# KiCad board poly_kb_molecule_4x4.kicad_pcb (continued)
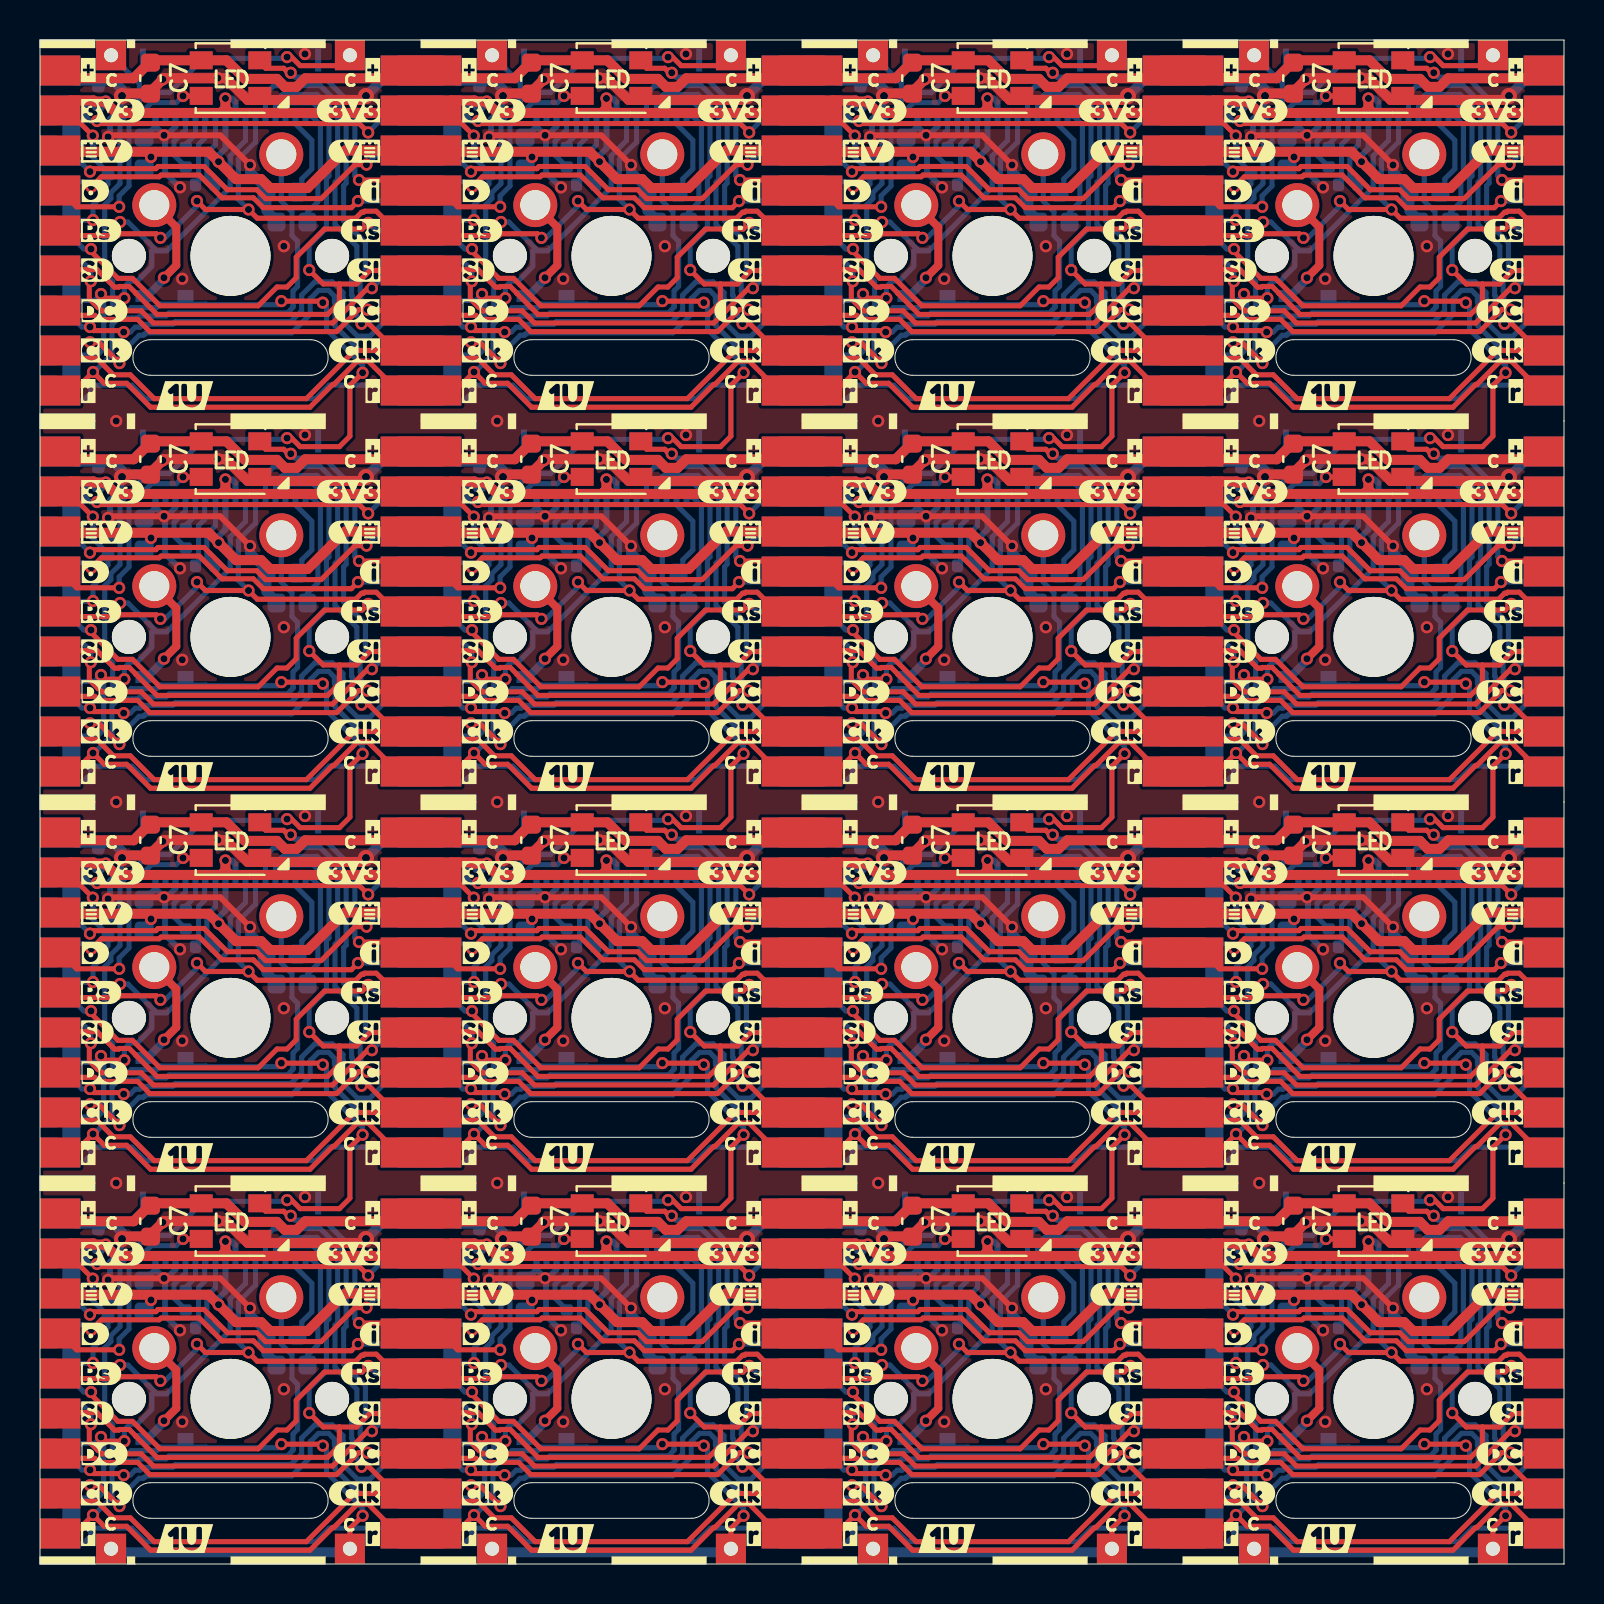
[diagram p0: board, top side]
## Routing (per net, layer and track width the routed paths; a pad name or vN(x,y) marks a point on that pad's centre or on a via; arc(x,y) is an arc through that point) (continued)
/Keyboard/sheet605ED2EB/4V2: length 367.8
  Top w0.5: 43.65,51.5 v1(43.65,51.3) ; 55.88,51.63 53.35,51.63 51.48,49.75 49.6,49.75 49.16,50.19 47.9,50.19 v1(47.03,51.07) 46.53,51.56 39.18,51.56 J3#14.3 ; J3#5.3 39.18,32.51 46.53,32.51 v1(47.03,32.02) 47.9,31.14 49.16,31.14 49.6,30.7 51.48,30.7 53.35,32.58 55.88,32.58 ; J3#3.3 1.08,32.51 8.43,32.51 v1(8.93,32.02) 9.8,31.14 11.06,31.14 11.5,30.7 13.38,30.7 15.25,32.58 17.78,32.58 ; 5.55,32.45 v1(5.55,32.25) ; 24.6,51.5 v1(24.6,51.3) ; J3#11.3 58.23,32.51 65.58,32.51 v1(66.08,32.02) 66.95,31.14 68.21,31.14 68.65,30.7 70.53,30.7 72.4,32.58 74.93,32.58 ; J3#9.3 20.13,70.61 27.48,70.61 v1(27.98,70.12) 28.85,69.24 30.11,69.24 30.55,68.8 32.43,68.8 34.3,70.68 36.83,70.68 ; 74.93,13.53 72.4,13.53 70.53,11.65 68.65,11.65 68.21,12.09 66.95,12.09 v1(66.08,12.97) 65.58,13.46 58.23,13.46 J3#16.3 ; 5.55,51.5 v1(5.55,51.3) ; 36.83,51.63 34.3,51.63 32.43,49.75 30.55,49.75 30.11,50.19 28.85,50.19 v1(27.98,51.07) 27.48,51.56 20.13,51.56 J3#7.3 ; 24.6,70.55 v1(24.6,70.35) ; 5.55,70.55 v1(5.55,70.35) ; 36.83,13.53 34.3,13.53 32.43,11.65 30.55,11.65 30.11,12.09 28.85,12.09 v1(27.98,12.97) 27.48,13.46 20.13,13.46 J3#6.3 ; J3#10.3 58.23,70.61 65.58,70.61 v1(66.08,70.12) 66.95,69.24 68.21,69.24 68.65,68.8 70.53,68.8 72.4,70.68 74.93,70.68 ; 36.83,32.58 34.3,32.58 32.43,30.7 30.55,30.7 30.11,31.14 28.85,31.14 v1(27.98,32.02) 27.48,32.51 20.13,32.51 J3#2.3 ; 5.55,13.4 v1(5.55,13.2) ; 24.6,32.45 v1(24.6,32.25) ; J3#13.3 39.18,13.46 46.53,13.46 v1(47.03,12.97) 47.9,12.09 49.16,12.09 49.6,11.65 51.48,11.65 53.35,13.53 55.88,13.53 ; 43.65,13.4 v1(43.65,13.2) ; 62.7,70.55 v1(62.7,70.35) ; 17.78,13.53 15.25,13.53 13.38,11.65 11.5,11.65 11.06,12.09 9.8,12.09 v1(8.93,12.97) 8.43,13.46 1.08,13.46 J3#12.3 ; J3#15.3 39.18,70.61 46.53,70.61 v1(47.03,70.12) 47.9,69.24 49.16,69.24 49.6,68.8 51.48,68.8 53.35,70.68 55.88,70.68 ; 74.93,51.63 72.4,51.63 70.53,49.75 68.65,49.75 68.21,50.19 66.95,50.19 v1(66.08,51.07) 65.58,51.56 58.23,51.56 J3#4.3 ; 17.78,70.68 15.25,70.68 13.38,68.8 11.5,68.8 11.06,69.24 9.8,69.24 v1(8.93,70.12) 8.43,70.61 1.08,70.61 J3.3 ; 62.7,13.4 v1(62.7,13.2) ; 24.6,13.4 v1(24.6,13.2) ; 17.78,51.63 15.25,51.63 13.38,49.75 11.5,49.75 11.06,50.19 9.8,50.19 v1(8.93,51.07) 8.43,51.56 1.08,51.56 J3#8.3 ; 62.7,51.5 v1(62.7,51.3) ; 43.65,70.55 v1(43.65,70.35) ; 62.7,32.45 v1(62.7,32.25) ; 43.65,32.45 v1(43.65,32.25)
  Top w1.5: J4#16.3 J3#15.3 ; J4#4.3 J3#2.3 ; J4#7.3 J3#4.3 ; J4#9.3 J3#5.3 ; J4#15.3 J3#16.3 ; J4.3 J3#9.3 ; J4#10.3 J3#10.3 ; J4#12.3 J3#13.3 ; J4#14.3 J3#7.3 ; J4#6.3 J3#14.3 ; J4#13.3 J3#6.3 ; J4#2.3 J3#11.3
  Bottom w0.3: v1(47.03,51.07) 47.03,51.38 47.38,51.73 J1#4.8 ; v1(66.08,32.02) 66.08,32.33 66.42,32.68 J1#15.8 ; 24.26,12.81 24.6,13.16 v1(24.6,13.2) ; J1.8 9.27,70.78 8.93,70.43 v1(8.93,70.12) ; v1(43.65,13.2) 43.65,13.16 43.31,12.81 ; J1#8.8 47.38,32.68 47.03,32.33 v1(47.03,32.02) ; v1(27.98,51.07) 27.98,51.38 28.33,51.73 J1#12.8 ; J1#10.8 28.33,32.68 27.98,32.33 v1(27.98,32.02) ; 62.36,50.91 62.7,51.26 v1(62.7,51.3) ; v1(47.03,12.97) 47.03,13.28 47.38,13.63 J1#14.8 ; v1(5.55,32.25) 5.55,32.21 5.21,31.86 ; J1#6.8 9.27,32.68 8.93,32.33 v1(8.93,32.02) ; v1(43.65,51.3) 43.65,51.26 43.31,50.91 ; v1(24.6,70.35) 24.6,70.31 24.26,69.96 ; v1(47.03,70.12) 47.03,70.43 47.38,70.78 J1#7.8 ; v1(8.93,12.97) 8.93,13.28 9.27,13.63 J1#5.8 ; 5.21,50.91 5.55,51.26 v1(5.55,51.3) ; 62.36,12.81 62.7,13.16 v1(62.7,13.2) ; 24.26,31.86 24.6,32.21 v1(24.6,32.25) ; v1(24.6,51.3) 24.6,51.26 24.26,50.91 ; 5.21,12.81 5.55,13.16 v1(5.55,13.2) ; v1(43.65,32.25) 43.65,32.21 43.31,31.86 ; v1(27.98,12.97) 27.98,13.28 28.33,13.63 J1#2.8 ; v1(66.08,70.12) 66.08,70.43 66.42,70.78 J1#9.8 ; 43.31,69.96 43.65,70.31 v1(43.65,70.35) ; 5.21,69.96 5.55,70.31 v1(5.55,70.35) ; v1(62.7,70.35) 62.7,70.31 62.36,69.96 ; J1#16.8 9.27,51.73 8.93,51.38 v1(8.93,51.07) ; v1(66.08,51.07) 66.08,51.38 66.42,51.73 J1#13.8 ; v1(62.7,32.25) 62.7,32.21 62.36,31.86 ; v1(66.08,12.97) 66.08,13.28 66.42,13.63 J1#3.8 ; J1#11.8 28.33,70.78 27.98,70.43 v1(27.98,70.12)
/Keyboard/sheet605ED2EB/5V: length 336.3
  Top w0.5: 58.42,74.68 58.79,74.31 ; 58.42,55.63 58.79,55.26 ; J4#16.1 36.7,74.29 32.31,74.29 31.88,73.86 31.29,73.86 30.89,74.26 29.3,74.26 28.37,75.19 24.63,75.19 23.74,74.29 20.45,74.29 J3#9.1 ; 74.55,17.15 74.93,17.53 ; J4#6.1 36.7,55.24 32.31,55.24 31.88,54.81 31.29,54.81 30.89,55.21 29.3,55.21 28.37,56.14 24.63,56.14 23.74,55.24 20.45,55.24 J3#7.1 ; 20.32,17.53 20.69,17.16 ; J4#15.1 55.75,17.14 51.36,17.14 50.93,16.71 50.34,16.71 49.94,17.11 48.35,17.11 47.42,18.04 43.69,18.04 42.79,17.14 39.5,17.14 J3#13.1 ; J3#5.1 39.5,36.19 42.79,36.19 43.69,37.09 47.42,37.09 48.35,36.16 49.94,36.16 50.34,35.76 50.93,35.76 51.36,36.19 55.75,36.19 J4#2.1 ; J4#14.1 17.65,55.24 13.26,55.24 12.83,54.81 12.24,54.81 11.84,55.21 10.25,55.21 9.32,56.14 5.59,56.14 4.69,55.24 1.4,55.24 J3#8.1 ; J3#16.1 58.55,17.14 61.84,17.14 62.73,18.04 66.47,18.04 67.4,17.11 68.99,17.11 69.39,16.71 69.98,16.71 70.41,17.14 74.8,17.14 J4#11.1 ; J3#11.1 58.55,36.19 61.84,36.19 62.73,37.09 66.47,37.09 67.4,36.16 68.99,36.16 69.39,35.76 69.98,35.76 70.41,36.19 74.8,36.19 J4#8.1 ; 58.42,36.58 58.79,36.21 ; 39.37,17.53 39.74,17.16 ; J4#13.1 17.65,17.14 13.26,17.14 12.83,16.71 12.24,16.71 11.84,17.11 10.25,17.11 9.32,18.04 5.59,18.04 4.69,17.14 1.4,17.14 J3#12.1 ; 55.5,55.25 55.88,55.63 ; 74.55,55.25 74.93,55.63 ; J3#10.1 58.55,74.29 61.84,74.29 62.73,75.19 66.47,75.19 67.4,74.26 68.99,74.26 69.39,73.86 69.98,73.86 70.41,74.29 74.8,74.29 J4#5.1 ; 17.4,74.3 17.78,74.68 ; J4#4.1 17.65,36.19 13.26,36.19 12.83,35.76 12.24,35.76 11.84,36.16 10.25,36.16 9.32,37.09 5.59,37.09 4.69,36.19 1.4,36.19 J3#3.1 ; 55.5,36.2 55.88,36.58 ; 36.45,74.3 36.83,74.68 ; 74.55,36.2 74.93,36.58 ; 17.4,36.2 17.78,36.58 ; 74.55,74.3 74.93,74.68 ; 20.32,55.63 20.69,55.26 ; J3#4.1 58.55,55.24 61.84,55.24 62.73,56.14 66.47,56.14 67.4,55.21 68.99,55.21 69.39,54.81 69.98,54.81 70.41,55.24 74.8,55.24 J4#3.1 ; 1.27,55.63 1.64,55.26 ; 55.5,74.3 55.88,74.68 ; J4.1 17.65,74.29 13.26,74.29 12.83,73.86 12.24,73.86 11.84,74.26 10.25,74.26 9.32,75.19 5.59,75.19 4.69,74.29 1.4,74.29 J3.1 ; 58.42,17.53 58.79,17.16 ; 39.37,55.63 39.74,55.26 ; J4#10.1 55.75,74.29 51.36,74.29 50.93,73.86 50.34,73.86 49.94,74.26 48.35,74.26 47.42,75.19 43.69,75.19 42.79,74.29 39.5,74.29 J3#15.1 ; J4#12.1 36.7,17.14 32.31,17.14 31.88,16.71 31.29,16.71 30.89,17.11 29.3,17.11 28.37,18.04 24.63,18.04 23.74,17.14 20.45,17.14 J3#6.1 ; 17.4,55.25 17.78,55.63 ; 39.37,74.68 39.74,74.31 ; 36.45,17.15 36.83,17.53 ; J3#2.1 20.45,36.19 23.74,36.19 24.63,37.09 28.37,37.09 29.3,36.16 30.89,36.16 31.29,35.76 31.88,35.76 32.31,36.19 36.7,36.19 J4#9.1 ; J4#7.1 55.75,55.24 51.36,55.24 50.93,54.81 50.34,54.81 49.94,55.21 48.35,55.21 47.42,56.14 43.69,56.14 42.79,55.24 39.5,55.24 J3#14.1 ; 1.27,74.68 1.64,74.31 ; 1.27,17.53 1.64,17.16 ; 20.32,36.58 20.69,36.21 ; 55.5,17.15 55.88,17.53 ; 36.45,36.2 36.83,36.58 ; 17.4,17.15 17.78,17.53 ; 39.37,36.58 39.74,36.21 ; 20.32,74.68 20.69,74.31 ; 36.45,55.25 36.83,55.63 ; 1.27,36.58 1.64,36.21
  Top w1.5: J4#13.1 J3#6.1 ; J4#7.1 J3#4.1 ; J4#4.1 J3#2.1 ; J4.1 J3#9.1 ; J4#16.1 J3#15.1 ; J4#12.1 J3#13.1 ; J4#6.1 J3#14.1 ; J4#10.1 J3#10.1 ; J4#2.1 J3#11.1 ; J4#15.1 J3#16.1 ; J4#9.1 J3#5.1 ; J4#14.1 J3#7.1
/Keyboard/sheet605ED2EB/GND: length 635.4
  Top w0.292: 3.38,71.36 3.46,71.44 v1(6.2,71.44) 9.01,71.44 v1(10.5,69.95) ; 41.48,52.31 41.56,52.39 v1(44.3,52.39) 47.11,52.39 v1(48.6,50.9) ; 3.38,52.31 3.46,52.39 v1(6.2,52.39) 9.01,52.39 v1(10.5,50.9) ; v1(67.65,69.95) 66.16,71.44 v1(63.35,71.44) 60.61,71.44 60.53,71.36 ; 41.48,33.26 41.56,33.34 v1(44.3,33.34) 47.11,33.34 v1(48.6,31.85) ; 41.48,14.21 41.56,14.29 v1(44.3,14.29) 47.11,14.29 v1(48.6,12.8) ; 60.53,14.21 60.61,14.29 v1(63.35,14.29) 66.16,14.29 v1(67.65,12.8) ; v1(67.65,31.85) 66.16,33.34 v1(63.35,33.34) 60.61,33.34 60.53,33.26 ; v1(48.6,69.95) 47.11,71.44 v1(44.3,71.44) 41.56,71.44 41.48,71.36 ; 22.43,71.36 22.51,71.44 v1(25.25,71.44) 28.06,71.44 v1(29.55,69.95) ; v1(29.55,12.8) 28.06,14.29 v1(25.25,14.29) 22.51,14.29 22.43,14.21 ; 3.38,33.26 3.46,33.34 v1(6.2,33.34) 9.01,33.34 v1(10.5,31.85) ; v1(10.5,12.8) 9.01,14.29 v1(6.2,14.29) 3.46,14.29 3.38,14.21 ; 22.43,52.31 22.51,52.39 v1(25.25,52.39) 28.06,52.39 v1(29.55,50.9) ; v1(67.65,50.9) 66.16,52.39 v1(63.35,52.39) 60.61,52.39 60.53,52.31 ; 22.43,33.26 22.51,33.34 v1(25.25,33.34) 28.06,33.34 v1(29.55,31.85)
  Top w0.5: v2(54.4,54.35) 54.2,54.15 48.48,54.15 47.39,55.25 v1(46.99,55.25) 44.31,55.25 v1(44.24,55.18) 43.54,54.48 42.4,54.48 ; v2(16.3,35.3) 16.1,35.1 10.38,35.1 9.29,36.2 v1(8.89,36.2) 6.21,36.2 v1(6.14,36.13) 5.44,35.43 4.3,35.43 ; v2(35.35,16.25) 35.15,16.05 29.43,16.05 28.34,17.15 v1(27.94,17.15) 25.26,17.15 v1(25.19,17.08) 24.49,16.38 23.35,16.38 ; 23.35,35.43 24.49,35.43 v1(25.19,36.13) 25.26,36.2 v1(27.94,36.2) 28.34,36.2 29.43,35.1 35.15,35.1 v2(35.35,35.3) ; v2(73.45,16.25) 73.25,16.05 67.53,16.05 66.44,17.15 v1(66.04,17.15) 63.36,17.15 v1(63.29,17.08) 62.59,16.38 61.45,16.38 ; v2(73.45,35.3) 73.25,35.1 67.53,35.1 66.44,36.2 v1(66.04,36.2) 63.36,36.2 v1(63.29,36.13) 62.59,35.43 61.45,35.43 ; v2(35.35,54.35) 35.15,54.15 29.43,54.15 28.34,55.25 v1(27.94,55.25) 25.26,55.25 v1(25.19,55.18) 24.49,54.48 23.35,54.48 ; v2(16.3,16.25) 16.1,16.05 10.38,16.05 9.29,17.15 v1(8.89,17.15) 6.21,17.15 v1(6.14,17.08) 5.44,16.38 4.3,16.38 ; v2(73.45,54.35) 73.25,54.15 67.53,54.15 66.44,55.25 v1(66.04,55.25) 63.36,55.25 v1(63.29,55.18) 62.59,54.48 61.45,54.48 ; v2(54.4,35.3) 54.2,35.1 48.48,35.1 47.39,36.2 v1(46.99,36.2) 44.31,36.2 v1(44.24,36.13) 43.54,35.43 42.4,35.43 ; v2(54.4,16.25) 54.2,16.05 48.48,16.05 47.39,17.15 v1(46.99,17.15) 44.31,17.15 v1(44.24,17.08) 43.54,16.38 42.4,16.38 ; 4.3,54.48 5.44,54.48 v1(6.14,55.18) 6.21,55.25 v1(8.89,55.25) 9.29,55.25 10.38,54.15 16.1,54.15 v2(16.3,54.35) ; v2(73.45,73.4) 73.25,73.2 67.53,73.2 66.44,74.3 v1(66.04,74.3) 63.36,74.3 v1(63.29,74.23) 62.59,73.53 61.45,73.53 ; 42.4,73.53 43.54,73.53 v1(44.24,74.23) 44.31,74.3 v1(46.99,74.3) 47.39,74.3 48.48,73.2 54.2,73.2 v2(54.4,73.4) ; 23.35,73.53 24.49,73.53 v1(25.19,74.23) 25.26,74.3 v1(27.94,74.3) 28.34,74.3 29.43,73.2 35.15,73.2 v2(35.35,73.4) ; 4.3,73.53 5.44,73.53 v1(6.14,74.23) 6.21,74.3 v1(8.89,74.3) 9.29,74.3 10.38,73.2 16.1,73.2 v2(16.3,73.4)
  Bottom w0.292: 62.36,71.51 62.57,71.51 62.92,71.87 ; J1#2.1 24.82,14.72 ; 24.82,14.72 24.47,14.36 24.26,14.36 ; 24.82,14.72 25.25,14.29 v1(25.25,14.29) ; v2(23.15,54.35) 23.1,54.3 23.1,53.75 22.55,53.2 22.55,52.43 22.43,52.31 ; v1(25.25,71.44) 25.3,71.39 25.3,69.57 26.03,68.83 ; v1(25.25,71.44) 25.39,71.44 25.82,71.88 J1#11.3 ; v1(25.25,71.44) 25.25,71.44 24.82,71.87 ; v2(23.15,16.25) 23.1,16.2 23.1,15.65 22.55,15.1 22.55,14.33 22.43,14.21 ; 64.14,30.73 63.4,31.47 63.4,33.29 v1(63.35,33.34) ; 6.98,68.83 6.25,69.57 6.25,71.39 v1(6.2,71.44) ; 24.82,52.82 24.47,52.46 24.26,52.46 ; 24.82,52.82 25.25,52.39 v1(25.25,52.39) ; 24.82,52.82 J1#12.1 ; J1#13.3 63.92,52.83 63.49,52.39 v1(63.35,52.39) ; v1(63.35,14.29) 63.4,14.24 63.4,12.42 64.14,11.68 ; v1(63.35,14.29) 63.35,14.29 62.92,14.72 ; v1(63.35,14.29) 63.49,14.29 63.92,14.73 J1#3.3 ; 5.77,14.72 6.2,14.29 v1(6.2,14.29) ; 5.77,14.72 J1#5.1 ; 5.77,14.72 5.42,14.36 5.21,14.36 ; 43.88,52.82 44.3,52.39 v1(44.3,52.39) ; 43.88,52.82 43.52,52.46 43.31,52.46 ; 43.88,52.82 J1#4.1 ; 22.43,71.36 22.55,71.48 22.55,72.25 23.1,72.8 23.1,73.35 v2(23.15,73.4) ; v1(44.3,14.29) 44.44,14.29 44.88,14.73 J1#14.3 ; v1(44.3,14.29) 44.35,14.24 44.35,12.42 45.08,11.68 ; v1(44.3,14.29) 44.3,14.29 43.88,14.72 ; J1#9.1 62.92,71.87 ; 62.92,71.87 63.35,71.44 v1(63.35,71.44) ; J1#15.3 63.92,33.78 63.49,33.34 v1(63.35,33.34) ; 24.82,33.77 24.47,33.41 24.26,33.41 ; 24.82,33.77 25.25,33.34 v1(25.25,33.34) ; 24.82,33.77 J1#10.1 ; 43.31,33.41 43.52,33.41 43.88,33.77 ; 62.92,52.82 62.57,52.46 62.36,52.46 ; 62.92,52.82 J1#13.1 ; 62.92,52.82 63.35,52.39 v1(63.35,52.39) ; v1(25.25,14.29) 25.3,14.24 25.3,12.42 26.03,11.68 ; v1(25.25,14.29) 25.39,14.29 25.82,14.73 J1#2.3 ; 45.08,49.78 44.35,50.52 44.35,52.34 v1(44.3,52.39) ; v1(63.35,71.44) 63.4,71.39 63.4,69.57 64.14,68.83 ; v1(63.35,71.44) 63.49,71.44 63.92,71.88 J1#9.3 ; v1(44.3,71.44) 44.3,71.44 43.88,71.87 ; v1(44.3,71.44) 44.44,71.44 44.88,71.88 J1#7.3 ; v1(44.3,71.44) 44.35,71.39 44.35,69.57 45.08,68.83 ; v1(6.2,14.29) 6.34,14.29 6.77,14.73 J1#5.3 ; v1(6.2,14.29) 6.25,14.24 6.25,12.42 6.98,11.68 ; 62.92,14.72 62.57,14.36 62.36,14.36 ; 62.92,14.72 J1#3.1 ; v1(6.2,33.34) 6.34,33.34 6.77,33.78 J1#6.3 ; v1(6.2,33.34) 6.2,33.34 5.77,33.77 ; v1(6.2,33.34) 6.25,33.29 6.25,31.47 6.98,30.73 ; 43.88,71.87 43.52,71.51 43.31,71.51 ; 43.88,71.87 J1#7.1 ; 24.26,71.51 24.47,71.51 24.82,71.87 ; v2(42.2,73.4) 42.15,73.35 42.15,72.8 41.6,72.25 41.6,71.48 41.48,71.36 ; 5.77,52.82 6.2,52.39 v1(6.2,52.39) ; 5.77,52.82 5.42,52.46 5.21,52.46 ; 5.77,52.82 J1#16.1 ; 41.48,14.21 41.6,14.33 41.6,15.1 42.15,15.65 42.15,16.2 v2(42.2,16.25) ; 3.38,33.26 3.5,33.38 3.5,34.15 4.05,34.7 4.05,35.25 v2(4.1,35.3) ; 3.38,52.31 3.5,52.43 3.5,53.2 4.05,53.75 4.05,54.3 v2(4.1,54.35) ; 41.48,52.31 41.6,52.43 41.6,53.2 42.15,53.75 42.15,54.3 v2(42.2,54.35) ; v1(25.25,52.39) 25.39,52.39 25.82,52.83 J1#12.3 ; v1(25.25,52.39) 25.3,52.34 25.3,50.52 26.03,49.78 ; 26.03,30.73 25.3,31.47 25.3,33.29 v1(25.25,33.34) ; 5.77,71.87 5.42,71.51 5.21,71.51 ; 5.77,71.87 J1.1 ; 5.77,71.87 6.2,71.44 v1(6.2,71.44) ; v2(4.1,73.4) 4.05,73.35 4.05,72.8 3.5,72.25 3.5,71.48 3.38,71.36 ; J1#8.3 44.88,33.78 44.44,33.34 v1(44.3,33.34) ; v1(63.35,52.39) 63.4,52.34 63.4,50.52 64.14,49.78 ; v2(61.25,54.35) 61.2,54.3 61.2,53.75 60.65,53.2 60.65,52.43 60.53,52.31 ; 43.88,33.77 J1#8.1 ; 43.88,33.77 44.3,33.34 v1(44.3,33.34) ; v1(25.25,33.34) 25.39,33.34 25.82,33.78 J1#10.3 ; v1(44.3,33.34) 44.35,33.29 44.35,31.47 45.08,30.73 ; v1(63.35,33.34) 63.35,33.34 62.92,33.77 ; J1#16.3 6.77,52.83 6.34,52.39 v1(6.2,52.39) ; J1#15.1 62.92,33.77 ; 62.92,33.77 62.57,33.41 62.36,33.41 ; v2(61.25,73.4) 61.2,73.35 61.2,72.8 60.65,72.25 60.65,71.48 60.53,71.36 ; v1(6.2,52.39) 6.25,52.34 6.25,50.52 6.98,49.78 ; v1(44.3,52.39) 44.44,52.39 44.88,52.83 J1#4.3 ; J1#6.1 5.77,33.77 ; 5.77,33.77 5.42,33.41 5.21,33.41 ; J1#14.1 43.88,14.72 ; 43.88,14.72 43.52,14.36 43.31,14.36 ; v1(6.2,71.44) 6.34,71.44 6.77,71.88 J1.3 ; v2(4.1,16.25) 4.05,16.2 4.05,15.65 3.5,15.1 3.5,14.33 3.38,14.21 ; v2(42.2,35.3) 42.15,35.25 42.15,34.7 41.6,34.15 41.6,33.38 41.48,33.26 ; 22.43,33.26 22.55,33.38 22.55,34.15 23.1,34.7 23.1,35.25 v2(23.15,35.3) ; v2(61.25,16.25) 61.2,16.2 61.2,15.65 60.65,15.1 60.65,14.33 60.53,14.21 ; 24.82,71.87 J1#11.1 ; 60.53,33.26 60.65,33.38 60.65,34.15 61.2,34.7 61.2,35.25 v2(61.25,35.3)
  Bottom w0.5: v1(10.5,69.95) 10.5,69.6 11.32,68.78 11.32,68.71 ; v2(54.4,73.4) 55.67,74.68 55.88,74.68 ; 60.18,17.02 60.18,16.84 C3#11.2 ; 60.18,17.02 58.93,17.02 58.42,17.53 ; 60.18,17.02 60.81,17.02 61.25,16.58 v2(61.25,16.25) ; v2(35.35,54.35) 36.62,55.63 36.83,55.63 ; v2(35.35,16.25) 36.62,17.53 36.83,17.53 ; v2(61.25,35.3) 61.25,35.63 60.81,36.07 60.18,36.07 ; 55.88,55.63 55.67,55.63 v2(54.4,54.35) ; C3#14.2 3.03,54.94 3.03,55.12 ; 22.08,55.12 22.08,54.94 C3#9.2 ; 22.08,55.12 22.71,55.12 23.15,54.68 v2(23.15,54.35) ; 22.08,55.12 20.83,55.12 20.32,55.63 ; 30.37,68.71 30.37,67.67 30.86,67.18 ; C3#16.2 60.18,54.94 60.18,55.12 ; 49.42,49.66 49.42,48.62 49.91,48.13 ; 68.96,48.13 68.47,48.62 68.47,49.66 ; 30.86,29.08 30.37,29.57 30.37,30.61 ; 17.78,17.53 17.57,17.53 v2(16.3,16.25) ; v1(10.5,31.85) 10.5,31.5 11.32,30.68 11.32,30.61 ; v2(42.2,73.4) 42.2,73.73 41.76,74.17 41.13,74.17 ; v2(4.1,54.35) 4.1,54.68 3.66,55.12 3.03,55.12 ; v1(67.65,69.95) 67.65,69.6 68.47,68.78 68.47,68.71 ; 36.83,74.68 36.62,74.68 v2(35.35,73.4) ; 11.81,29.08 11.32,29.57 11.32,30.61 ; 3.03,55.12 1.78,55.12 1.27,55.63 ; 58.42,36.58 58.93,36.07 60.18,36.07 ; 11.32,11.56 11.32,11.63 10.5,12.45 v1(10.5,12.8) ; 17.78,74.68 17.57,74.68 v2(16.3,73.4) ; 3.03,36.07 1.78,36.07 1.27,36.58 ; 3.03,36.07 3.66,36.07 4.1,35.63 v2(4.1,35.3) ; 3.03,36.07 3.03,35.89 C3#8.2 ; C3#6.2 22.08,35.89 22.08,36.07 ; 11.81,48.13 11.32,48.62 11.32,49.66 ; v2(42.2,16.25) 42.2,16.58 41.76,17.02 41.13,17.02 ; C3#12.2 22.08,73.99 22.08,74.17 ; 74.93,17.53 74.72,17.53 v2(73.45,16.25) ; 41.13,17.02 39.88,17.02 39.37,17.53 ; 41.13,17.02 41.13,16.84 C3#15.2 ; 3.03,74.17 3.66,74.17 4.1,73.73 v2(4.1,73.4) ; 3.03,74.17 3.03,73.99 C3.2 ; 3.03,74.17 1.78,74.17 1.27,74.68 ; 55.88,17.53 55.67,17.53 v2(54.4,16.25) ; 49.42,68.71 49.42,67.67 49.91,67.18 ; C3#10.2 3.03,16.84 3.03,17.02 ; v1(48.6,12.8) 48.6,12.45 49.42,11.63 49.42,11.56 ; 11.32,68.71 11.32,67.67 11.81,67.18 ; 11.81,10.03 11.32,10.52 11.32,11.56 ; v1(67.65,31.85) 67.65,31.5 68.47,30.68 68.47,30.61 ; v1(67.65,50.9) 67.65,50.55 68.47,49.73 68.47,49.66 ; v1(29.55,69.95) 29.55,69.6 30.38,68.78 30.38,68.71 ; 60.18,74.17 60.81,74.17 61.25,73.73 v2(61.25,73.4) ; 60.18,74.17 58.93,74.17 58.42,74.68 ; 60.18,74.17 60.18,73.99 C3#3.2 ; v1(29.55,31.85) 29.55,31.5 30.38,30.68 30.38,30.61 ; v1(48.6,31.85) 48.6,31.5 49.42,30.68 49.42,30.61 ; C3#13.2 41.13,35.89 41.13,36.07 ; 20.32,36.58 20.83,36.07 22.08,36.07 ; 1.27,17.53 1.78,17.02 3.03,17.02 ; v1(10.5,50.9) 10.5,50.55 11.32,49.73 11.32,49.66 ; 3.03,17.02 3.66,17.02 4.1,16.58 v2(4.1,16.25) ; 22.08,74.17 20.83,74.17 20.32,74.68 ; 22.08,74.17 22.71,74.17 23.15,73.73 v2(23.15,73.4) ; 39.37,36.58 39.88,36.07 41.13,36.07 ; 41.13,74.17 41.13,73.99 C3#5.2 ; 41.13,74.17 39.88,74.17 39.37,74.68 ; 41.13,55.12 41.76,55.12 42.2,54.68 v2(42.2,54.35) ; 41.13,55.12 39.88,55.12 39.37,55.63 ; 41.13,55.12 41.13,54.94 C3#4.2 ; 60.18,36.07 60.18,35.89 C3#2.2 ; 22.08,36.07 22.71,36.07 23.15,35.63 v2(23.15,35.3) ; 55.88,36.58 55.67,36.58 v2(54.4,35.3) ; 74.93,55.63 74.72,55.63 v2(73.45,54.35) ; 60.18,55.12 60.81,55.12 61.25,54.68 v2(61.25,54.35) ; 60.18,55.12 58.93,55.12 58.42,55.63 ; 49.42,68.71 49.42,68.78 48.6,69.6 v1(48.6,69.95) ; 30.86,10.03 30.37,10.52 30.37,11.56 ; 30.37,49.66 30.37,48.62 30.86,48.13 ; 68.96,67.18 68.47,67.67 68.47,68.71 ; 20.32,17.53 20.83,17.02 22.08,17.02 ; 41.13,36.07 41.76,36.07 42.2,35.63 v2(42.2,35.3) ; v1(29.55,12.8) 29.55,12.45 30.38,11.63 30.38,11.56 ; v2(16.3,35.3) 17.57,36.58 17.78,36.58 ; v1(48.6,50.9) 48.6,50.55 49.42,49.73 49.42,49.66 ; 36.83,36.58 36.62,36.58 v2(35.35,35.3) ; 68.96,10.03 68.47,10.52 68.47,11.56 ; 49.42,30.61 49.42,29.57 49.91,29.08 ; 22.08,17.02 22.08,16.84 C3#7.2 ; 22.08,17.02 22.71,17.02 23.15,16.58 v2(23.15,16.25) ; 68.47,11.56 68.47,11.63 67.65,12.45 v1(67.65,12.8) ; v2(73.45,35.3) 74.72,36.58 74.93,36.58 ; 49.42,11.56 49.42,10.52 49.91,10.03 ; 30.38,49.66 30.38,49.73 29.55,50.55 v1(29.55,50.9) ; v2(16.3,54.35) 17.57,55.63 17.78,55.63 ; 68.96,29.08 68.47,29.57 68.47,30.61 ; v2(73.45,73.4) 74.72,74.68 74.93,74.68
  Bottom w1.5: J6#2.1 J5#15.1 ; J6#16.1 J5#8.1 ; J6#6.1 J5#12.1 ; J6#4.1 J5#5.1 ; J5#4.1 J6#13.1 ; J5#10.1 J6#10.1 ; J6#3.1 J5#2.1 ; J5#6.1 J6#14.1 ; J6.1 J5#13.1 ; J5#11.1 J6#9.1 ; J6#15.1 J5#16.1 ; J6#11.1 J5#7.1
  vias: v1(3.41,71.36) v1(3.41,52.31) v1(3.41,33.26) v1(3.41,14.21) v1(3.81,57.15) v1(3.81,38.1) v1(3.81,19.05) v1(7,68.83) v1(7,49.78) v1(7,30.73) v1(7,11.68) v1(7.11,64.26) v1(7.11,45.21) v1(7.11,26.16) v1(7.11,7.11) v1(12.19,65.89) v1(12.19,46.84) v1(12.19,27.79) v1(12.19,8.74) v1(13.25,75.5) v1(13.25,56.45) v1(13.25,37.4) v1(13.25,18.35) v1(22.46,71.36) v1(22.46,52.31) v1(22.46,33.26) v1(22.46,14.21) v1(22.86,57.15) v1(22.86,38.1) v1(22.86,19.05) v1(26.05,68.83) v1(26.05,49.78) v1(26.05,30.73) v1(26.05,11.68) v1(26.16,64.26) v1(26.16,45.21) v1(26.16,26.16) v1(26.16,7.11) v1(31.24,65.89) v1(31.24,46.84) v1(31.24,27.79) v1(31.24,8.74) v1(32.3,75.5) v1(32.3,56.45) v1(32.3,37.4) v1(32.3,18.35) v1(41.51,71.36) v1(41.51,52.31) v1(41.51,33.26) v1(41.51,14.21) v1(41.91,57.15) v1(41.91,38.1) v1(41.91,19.05) v1(45.1,68.83) v1(45.1,49.78) v1(45.1,30.73) v1(45.1,11.68) v1(45.21,64.26) v1(45.21,45.21) v1(45.21,26.16) v1(45.21,7.11) v1(50.29,65.89) v1(50.29,46.84) v1(50.29,27.79) v1(50.29,8.74) v1(51.35,75.5) v1(51.35,56.45) v1(51.35,37.4) v1(51.35,18.35) v1(60.56,71.36) v1(60.56,52.31) v1(60.56,33.26) v1(60.56,14.21) v1(60.96,57.15) v1(60.96,38.1) v1(60.96,19.05) v1(64.15,68.83) v1(64.15,49.78) v1(64.15,30.73) v1(64.15,11.68) v1(64.26,64.26) v1(64.26,45.21) v1(64.26,26.16) v1(64.26,7.11) v1(69.34,65.89) v1(69.34,46.84) v1(69.34,27.79) v1(69.34,8.74) v1(70.4,75.5) v1(70.4,56.45) v1(70.4,37.4) v1(70.4,18.35)
/Keyboard/sheet605ED2EB/CS: length 480.7
  Top w0.254: v1(60.2,25.4) 60.41,25.19 v1(61.37,25.19) ; v1(42.32,25.19) 41.36,25.19 v1(41.15,25.4) ; v1(23.27,25.19) 22.31,25.19 v1(22.1,25.4) ; v1(23.27,44.24) 22.31,44.24 v1(22.1,44.45) ; v1(42.32,44.24) 41.36,44.24 v1(41.15,44.45) ; v1(21.7,67.2) 21.8,67.1 v1(23.05,67.1) ; v1(21.7,48.15) 21.8,48.05 v1(23.05,48.05) ; v1(42.1,48.05) 40.85,48.05 v1(40.75,48.15) ; v1(4.22,6.14) 3.26,6.14 v1(3.05,6.35) ; v1(42.1,29) 40.85,29 v1(40.75,29.1) ; v1(61.37,63.29) 60.41,63.29 v1(60.2,63.5) ; v1(61.37,44.24) 60.41,44.24 v1(60.2,44.45) ; v1(42.32,6.14) 41.36,6.14 v1(41.15,6.35) ; v1(4.22,44.24) 3.26,44.24 v1(3.05,44.45) ; v1(40.75,10.05) 40.85,9.95 v1(42.1,9.95) ; v1(4,48.05) 2.75,48.05 v1(2.65,48.15) ; v1(61.15,67.1) 59.9,67.1 v1(59.8,67.2) ; v1(22.1,6.35) 22.31,6.14 v1(23.27,6.14) ; v1(3.05,25.4) 3.26,25.19 v1(4.22,25.19) ; v1(42.1,67.1) 40.85,67.1 v1(40.75,67.2) ; v1(59.8,29.1) 59.9,29 v1(61.15,29) ; v1(22.1,63.5) 22.31,63.29 v1(23.27,63.29) ; v1(4,67.1) 2.75,67.1 v1(2.65,67.2) ; v1(59.8,10.05) 59.9,9.95 v1(61.15,9.95) ; v1(2.65,10.05) 2.75,9.95 v1(4,9.95) ; v1(21.7,29.1) 21.8,29 v1(23.05,29) ; v1(3.05,63.5) 3.26,63.29 v1(4.22,63.29) ; v1(61.15,48.05) 59.9,48.05 v1(59.8,48.15) ; v1(60.2,6.35) 60.41,6.14 v1(61.37,6.14) ; v1(21.7,10.05) 21.8,9.95 v1(23.05,9.95) ; v1(42.32,63.29) 41.36,63.29 v1(41.15,63.5) ; v1(4,29) 2.75,29 v1(2.65,29.1)
  Bottom w0.25: R1#3.2 22.45,50.52 20.82,52.15 J5#8.10 ; R1#10.2 60.55,69.57 58.92,71.2 J5#10.10 ; J5#3.10 1.77,14.05 3.4,12.42 R1.2 ; R1#7.2 60.55,31.47 58.92,33.1 J5#11.10 ; J5#6.10 58.92,52.15 60.55,50.52 R1#8.2 ; R1#9.2 22.45,69.57 20.82,71.2 J5#13.10 ; J5.10 1.77,71.2 3.4,69.57 R1#13.2 ; J5#4.10 58.92,14.05 60.55,12.42 R1#15.2 ; R1#11.2 3.4,50.52 1.77,52.15 J5#9.10 ; J5#16.10 39.87,14.05 41.5,12.42 R1#16.2 ; R1#14.2 22.45,12.42 20.82,14.05 J5#12.10 ; R1#12.2 41.5,50.52 39.87,52.15 J5#15.10 ; R1#4.2 22.45,31.47 20.82,33.1 J5#5.10 ; J5#7.10 39.87,33.1 41.5,31.47 R1#2.2 ; J5#14.10 1.77,33.1 3.4,31.47 R1#5.2 ; J5#2.10 39.87,71.2 41.5,69.57 R1#6.2
  Bottom w0.254: J5#3.10 2.04,3.3 2.88,3.3 3.18,3.61 3.18,6.19 3.05,6.33 ; J5#16.10 40.14,3.3 40.98,3.3 41.28,3.61 41.28,6.19 41.15,6.33 ; 62.99,46.61 61.55,48.05 v1(61.15,48.05) ; 39.87,6.03 40.82,6.03 v1(41.15,6.35) ; 1.77,48.13 2.63,48.13 v1(2.65,48.15) 2.65,48.9 3.14,49.39 3.14,49.69 3.4,49.95 R1#11.2 ; J5#15.10 40.14,41.4 40.98,41.4 41.28,41.71 41.28,44.29 41.15,44.43 ; J1#7.10 48.38,71.17 47.61,70.41 47.61,68.83 44.44,65.66 43.69,65.66 43.69,64.87 42.96,64.14 42.6,64.14 42.32,63.86 v1(42.32,63.29) ; v1(42.32,25.19) 42.32,25.76 42.6,26.04 42.96,26.04 43.69,26.77 43.69,27.56 44.44,27.56 47.61,30.73 47.61,32.31 48.38,33.07 J1#8.10 ; J5#2.10 40.14,60.45 40.98,60.45 41.28,60.76 41.28,63.34 41.15,63.48 ; 5.84,46.61 4.4,48.05 v1(4,48.05) ; 43.94,46.61 42.5,48.05 v1(42.1,48.05) ; v1(23.27,6.14) 23.27,6.71 23.55,6.99 23.91,6.99 24.64,7.72 24.64,8.51 25.39,8.51 28.56,11.68 28.56,13.26 29.33,14.02 J1#2.10 ; J1#3.10 67.42,14.02 66.66,13.26 66.66,11.68 63.49,8.51 62.74,8.51 62.74,7.72 62.01,6.99 61.65,6.99 61.37,6.71 v1(61.37,6.14) ; 58.92,25.08 59.87,25.08 v1(60.2,25.4) ; R1#13.2 3.4,69 3.14,68.74 3.14,68.44 2.65,67.95 v1(2.65,67.2) 2.63,67.18 1.77,67.18 ; v1(23.27,44.24) 23.27,44.81 23.55,45.09 23.91,45.09 24.64,45.82 24.64,46.61 25.39,46.61 28.56,49.78 28.56,51.36 29.33,52.12 J1#12.10 ; 39.87,25.08 40.82,25.08 v1(41.15,25.4) ; 5.84,8.51 4.4,9.95 v1(4,9.95) ; 60.2,25.38 60.33,25.24 60.33,22.66 60.03,22.35 59.19,22.35 J5#11.10 ; 1.77,6.03 2.72,6.03 v1(3.05,6.35) ; R1#3.2 22.45,49.95 22.19,49.69 22.19,49.39 21.7,48.9 v1(21.7,48.15) 21.68,48.13 20.82,48.13 ; 39.87,48.13 40.73,48.13 v1(40.75,48.15) 40.75,48.9 41.24,49.39 41.24,49.69 41.5,49.95 R1#12.2 ; 5.84,65.66 4.4,67.1 v1(4,67.1) ; 58.92,6.03 59.87,6.03 v1(60.2,6.35) ; J1#5.10 10.27,14.02 9.51,13.26 9.51,11.68 6.34,8.51 5.59,8.51 5.59,7.72 4.86,6.99 4.5,6.99 4.22,6.71 v1(4.22,6.14) ; v1(23.27,63.29) 23.27,63.86 23.55,64.14 23.91,64.14 24.64,64.87 24.64,65.66 25.39,65.66 28.56,68.83 28.56,70.41 29.33,71.17 J1#11.10 ; R1#8.2 60.55,49.95 60.29,49.69 60.29,49.39 59.8,48.9 v1(59.8,48.15) 59.78,48.13 58.92,48.13 ; R1#9.2 22.45,69 22.19,68.74 22.19,68.44 21.7,67.95 v1(21.7,67.2) 21.68,67.18 20.82,67.18 ; 1.77,63.18 2.72,63.18 v1(3.05,63.5) ; 60.2,6.33 60.33,6.19 60.33,3.61 60.03,3.3 59.19,3.3 J5#4.10 ; R1#14.2 22.45,11.85 22.19,11.59 22.19,11.29 21.7,10.8 v1(21.7,10.05) 21.68,10.03 20.82,10.03 ; v1(3.05,25.4) 2.72,25.08 1.77,25.08 ; J1#14.10 48.38,14.02 47.61,13.26 47.61,11.68 44.44,8.51 43.69,8.51 43.69,7.72 42.96,6.99 42.6,6.99 42.32,6.71 v1(42.32,6.14) ; 62.99,8.51 61.55,9.95 v1(61.15,9.95) ; 3.05,63.48 3.18,63.34 3.18,60.76 2.88,60.45 2.04,60.45 J5.10 ; v1(23.05,29) 23.45,29 24.89,27.56 ; v1(23.05,67.1) 23.45,67.1 24.89,65.66 ; v1(22.1,63.5) 21.77,63.18 20.82,63.18 ; 58.92,63.18 59.87,63.18 v1(60.2,63.5) ; 60.2,44.43 60.33,44.29 60.33,41.71 60.03,41.4 59.19,41.4 J5#6.10 ; 39.87,10.03 40.73,10.03 v1(40.75,10.05) 40.75,10.8 41.24,11.29 41.24,11.59 41.5,11.85 R1#16.2 ; v1(4.22,25.19) 4.22,25.76 4.5,26.04 4.86,26.04 5.59,26.77 5.59,27.56 6.34,27.56 9.51,30.73 9.51,32.31 10.27,33.07 J1#6.10 ; 58.92,10.03 59.78,10.03 v1(59.8,10.05) 59.8,10.8 60.29,11.29 60.29,11.59 60.55,11.85 R1#15.2 ; R1#5.2 3.4,30.9 3.14,30.64 3.14,30.34 2.65,29.85 v1(2.65,29.1) 2.63,29.08 1.77,29.08 ; v1(61.37,44.24) 61.37,44.81 61.65,45.09 62.01,45.09 62.74,45.82 62.74,46.61 63.49,46.61 66.66,49.78 66.66,51.36 67.42,52.12 J1#13.10 ; v1(41.15,44.45) 40.82,44.13 39.87,44.13 ; v1(22.1,44.45) 21.77,44.13 20.82,44.13 ; v1(61.15,29) 61.55,29 62.99,27.56 ; J5#13.10 21.09,60.45 21.93,60.45 22.23,60.76 22.23,63.34 22.1,63.48 ; J1#15.10 67.42,33.07 66.66,32.31 66.66,30.73 63.49,27.56 62.74,27.56 62.74,26.77 62.01,26.04 61.65,26.04 61.37,25.76 v1(61.37,25.19) ; v1(42.32,44.24) 42.32,44.81 42.6,45.09 42.96,45.09 43.69,45.82 43.69,46.61 44.44,46.61 47.61,49.78 47.61,51.36 48.38,52.12 J1#4.10 ; J5#12.10 21.09,3.3 21.93,3.3 22.23,3.61 22.23,6.19 22.1,6.33 ; v1(42.1,9.95) 42.5,9.95 43.94,8.51 ; v1(23.27,25.19) 23.27,25.76 23.55,26.04 23.91,26.04 24.64,26.77 24.64,27.56 25.39,27.56 28.56,30.73 28.56,32.31 29.33,33.07 J1#10.10 ; v1(42.1,29) 42.5,29 43.94,27.56 ; 20.82,25.08 21.77,25.08 v1(22.1,25.4) ; R1.2 3.4,11.85 3.14,11.59 3.14,11.29 2.65,10.8 v1(2.65,10.05) 2.63,10.03 1.77,10.03 ; 58.92,29.08 59.78,29.08 v1(59.8,29.1) 59.8,29.85 60.29,30.34 60.29,30.64 60.55,30.9 R1#7.2 ; v1(22.1,6.35) 21.77,6.03 20.82,6.03 ; J5#8.10 21.09,41.4 21.93,41.4 22.23,41.71 22.23,44.29 22.1,44.43 ; 58.92,67.18 59.78,67.18 v1(59.8,67.2) 59.8,67.95 60.29,68.44 60.29,68.74 60.55,69 R1#10.2 ; v1(23.05,9.95) 23.45,9.95 24.89,8.51 ; 62.99,65.66 61.55,67.1 v1(61.15,67.1) ; J5#14.10 2.04,22.35 2.88,22.35 3.18,22.66 3.18,25.24 3.05,25.38 ; J5#5.10 21.09,22.35 21.93,22.35 22.23,22.66 22.23,25.24 22.1,25.38 ; 1.77,44.13 2.72,44.13 v1(3.05,44.45) ; v1(4,29) 4.4,29 5.84,27.56 ; 39.87,63.18 40.82,63.18 v1(41.15,63.5) ; v1(60.2,44.45) 59.87,44.13 58.92,44.13 ; J1#16.10 10.27,52.12 9.51,51.36 9.51,49.78 6.34,46.61 5.59,46.61 5.59,45.82 4.86,45.09 4.5,45.09 4.22,44.81 v1(4.22,44.24) ; 39.87,67.18 40.73,67.18 v1(40.75,67.2) 40.75,67.95 41.24,68.44 41.24,68.74 41.5,69 R1#6.2 ; 3.05,44.43 3.18,44.29 3.18,41.71 2.88,41.4 2.04,41.4 J5#9.10 ; v1(23.05,48.05) 23.45,48.05 24.89,46.61 ; J5#7.10 40.14,22.35 40.98,22.35 41.28,22.66 41.28,25.24 41.15,25.38 ; 20.82,29.08 21.68,29.08 v1(21.7,29.1) 21.7,29.85 22.19,30.34 22.19,30.64 22.45,30.9 R1#4.2 ; 43.94,65.66 42.5,67.1 v1(42.1,67.1) ; v1(61.37,63.29) 61.37,63.86 61.65,64.14 62.01,64.14 62.74,64.87 62.74,65.66 63.49,65.66 66.66,68.83 66.66,70.41 67.42,71.17 J1#9.10 ; R1#2.2 41.5,30.9 41.24,30.64 41.24,30.34 40.75,29.85 v1(40.75,29.1) 40.73,29.08 39.87,29.08 ; J1.10 10.27,71.17 9.51,70.41 9.51,68.83 6.34,65.66 5.59,65.66 5.59,64.87 4.86,64.14 4.5,64.14 4.22,63.86 v1(4.22,63.29) ; 60.2,63.48 60.33,63.34 60.33,60.76 60.03,60.45 59.19,60.45 J5#10.10